# Altium PCB Stabilizer.PCBDOC (part 1 of 8) (continued)
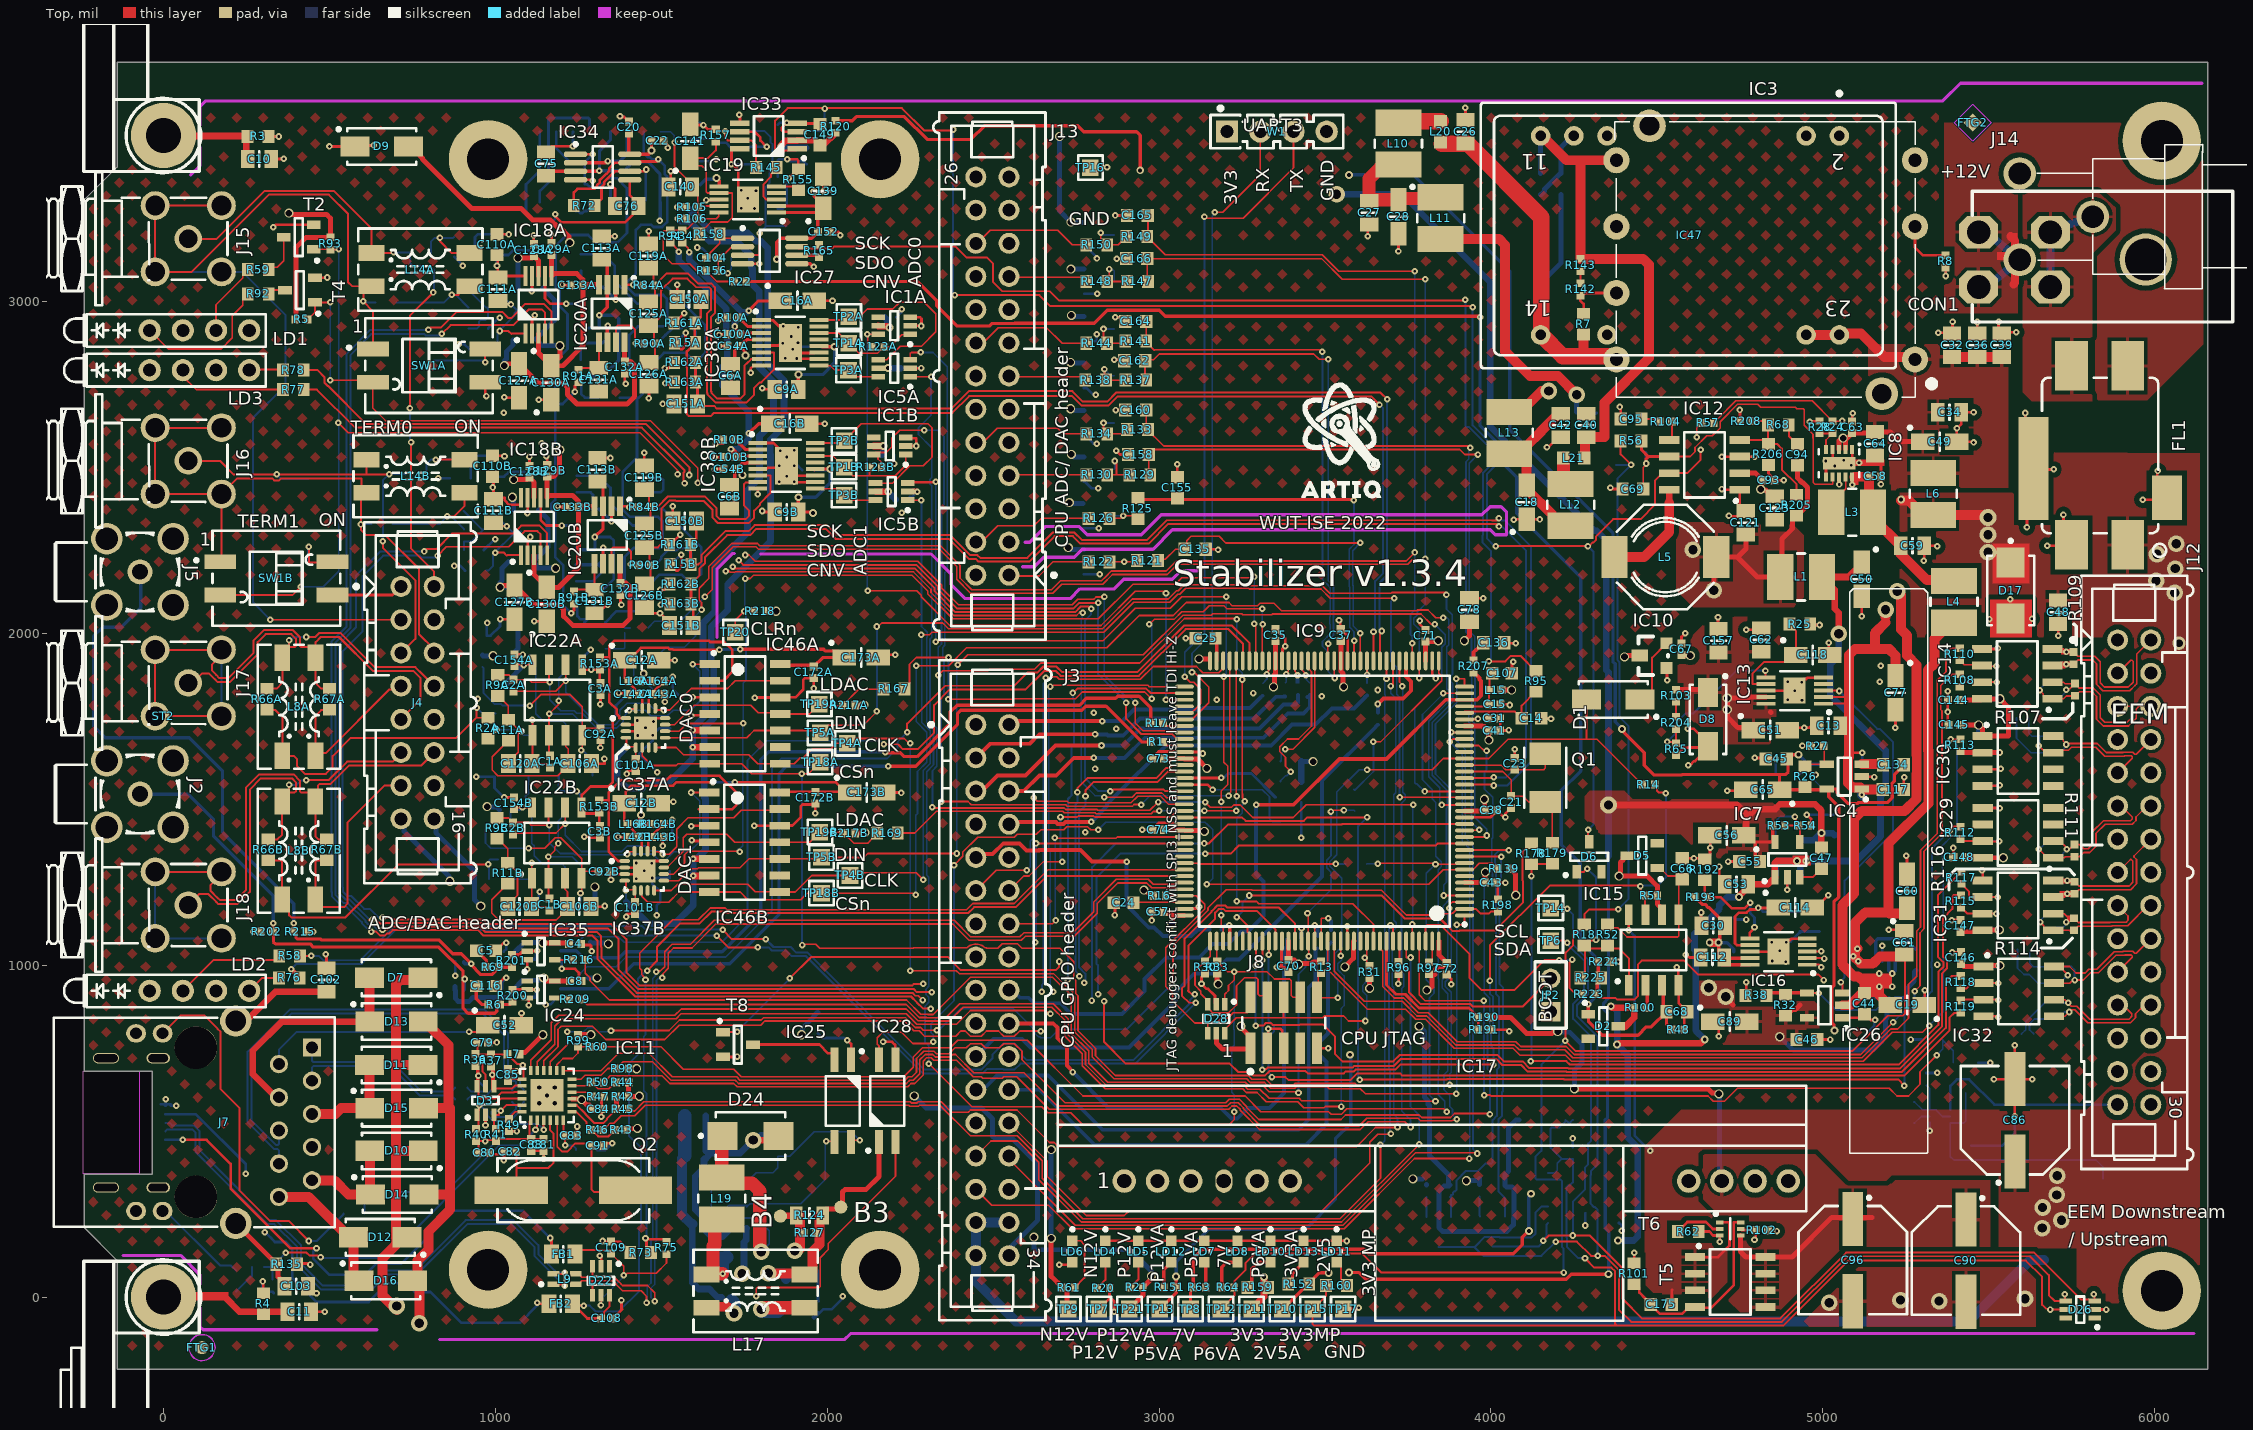
[diagram p0: Top view]
## Components (designator, comment, footprint, x,y, rotation, side; value= is the part's Value field where it differs from the comment) (continued)
FB1 "220R@100MHz" INDC2012X105N 1204.49,129.41 r180 top
FB2 "220R@100MHz" INDC2012X105N 1197.49,-20.15 r180 top
FL1 "10A/50VDC" FIL_MURATA_BNX02 5835.57,2536.05 r270 top
FTG1 "Use only in PCB" FIDUCIAL_TOP_C100-200 115.91,-152.2 r90 top
FTG2 "Use only in PCB" FIDUCIAL_TOP_S100-200 5451.79,3539 r90 top
FTG3 "Use only in PCB" FIDUCIAL_TOP_S100-200 430.87,3483.79 r90 bottom
FTG4 "Use only in PCB" FIDUCIAL_TOP_S100-200 5698.43,492.76 r90 bottom
IC1A "SN74AUC2G34DCKR" DCK0006A_M 2201.59,2926.86 r180 top (schematic designator IC1)
IC1B "SN74AUC2G34DCKR" DCK0006A_M 2188,2564.37 r180 top (schematic designator IC1)
IC2 "SN74LVC1G125DCKT" SOT65P210X110-5N 1153,1043.76 r180 bottom
IC3 "CC6-1212DF-E" CC6-1212DF-E 5177.72,2721.82 r180 top locked
IC4 "LT1761ES5-BYP#TRMPBF" SOT95P280X100-5N 5064.4,1568.26 r180 top
IC5A "SN74AUC2G34DCKR" DCK0006A_M 2201.59,2798.77 r180 top (schematic designator IC5)
IC5B "SN74AUC2G34DCKR" DCK0006A_M 2194,2427 r180 top (schematic designator IC5)
IC6 "24AA02E48T-I/OT" SOT95P280X145-5N 4284,304 r90 bottom
IC7 "LT1761ES5-BYP#TRMPBF" SOT95P280X100-5N 4893.16,1318.23 r90 top
IC8 "TPS62175DQC" SON50P200X300X80-11N-R94X250 5048.98,2512.43 r270 top
IC9 "STM32H743ZIT6" TSQFP50P2200X2200X160-144N 3498.15,1494.69 r180 top locked
IC10 "STM809SWX6F" SOT-23 4528.81,1895.04 r90 top
IC11 "LAN8742A-CZ-TR" QFN24_0R5_4X4 1155.49,607.62 r90 top
IC12 "NCP3170ADR2G" SOIC127P600X175-8N 4643.41,2507.53 r180 top
IC13 "LT3042EMSE#PBF" SOP50P490X110-11N-R168X198 4914.76,1827.22 r180 top
IC14 "FIN1028MX" SOIC127P600X175-8N 5585.66,1877.74 r180 top
IC15 "LM393AD" SOIC127P600X175-8N 4490.28,1045.95 r90 top
IC16 "LT3042EMSE#PBF" SOP50P490X110-11N-R168X198 4866.39,1040.78 r180 top
IC17 "AG5300" SILVERTEL_AG5300 3895.43,349.57 r0 top locked
IC18A "AD8250ARMZ" SOP50P490X110-10N 1130.13,2990.06 r90 top (schematic designator IC18)
IC18B "AD8250ARMZ" SOP50P490X110-10N 1116.96,2322.16 r90 top (schematic designator IC18)
IC19 "LT3042EMSE#PBF" SOP50P490X110-11N-R168X198 1761.05,3307.21 r180 top
IC20A "OPA2197IDGKR" SOP65P490X110-8N 1350.35,2964.13 r270 top (schematic designator IC20)
IC20B "OPA2197IDGKR" SOP65P490X110-8N 1337.18,2296.22 r270 top (schematic designator IC20)
IC21 "SN74LVC1G125DCKT" SOT65P210X110-5N 1153,928.67 r180 bottom
IC22A "OPA2197ID" SOIC127P600X175-8N 1186.85,1799.13 r90 top (schematic designator IC22)
IC22B "OPA2197ID" SOIC127P600X175-8N 1185.08,1368.51 r90 top (schematic designator IC22)
IC23 "FIN1027AMX" SOIC127P600X175-8N 5585.65,1877.74 r0 bottom
IC24 "74LVC1G14GW" SOT65P212X110-5N 1137.34,926.5 r0 top
IC25 "ACPL-217-500E" SOIC127P700X242-4N 2047,591.02 r270 top
IC26 "LT1964ES5-SD#TRMPBF" SOT95P280X100-5N 5005.34,879.29 r180 top
IC27 "ADA4528-2ARMZ-RL" ADI-RM-8_N 1826.75,3152.09 r0 top
IC28 "ACPL-217-500E" SOIC127P700X242-4N 2180.76,591.02 r90 top
IC29 "FIN1028MX" SOIC127P600X175-8N 5588.05,1398.78 r180 top
IC30 "FIN1027AMX" SOIC127P600X175-8N 5587.66,1615.31 r0 top
IC31 "FIN1028MX" SOIC127P600X175-8N 5587.66,1180.05 r180 top
IC32 "FIN1027AMX" SOIC127P600X175-8N 5590.05,921.02 r0 top
IC33 "LTC6655BHMS8-4.096#PBF" SOP65P490X110-8N 1823.58,3498.39 r180 top
IC34 "ADA4528-2ARMZ-RL" ADI-RM-8_N 1323.44,3405.09 r0 top
IC35 "74LVC1G14GW" SOT65P212X110-5N 1137.34,1041.79 r0 top
IC36 "FIN1027AMX" SOIC127P600X175-8N 5588.05,1398.77 r0 bottom
IC37A "AD5542ABCPZ-REEL7" QFN50P300X300X80-17N-S175 1452.44,1714.88 r0 top (schematic designator IC37)
IC37B "AD5542ABCPZ-REEL7" QFN50P300X300X80-17N-S175 1448.7,1284.26 r0 top (schematic designator IC37)
IC38A "LTC2310HMSE-16#PBF" SOP50P490X110-17N-R175X290 1889,2875.27 r0 top (schematic designator IC38)
IC38B "LTC2310HMSE-16#PBF" SOP50P490X110-17N-R175X290 1877.3,2504.75 r0 top (schematic designator IC38)
IC39 "FIN1028MX" SOIC127P600X175-8N 5588,1615.31 r180 bottom
IC40 "FIN1027AMX" SOIC127P600X175-8N 5587.66,1180.05 r0 bottom
IC41 "FIN1028MX" SOIC127P600X175-8N 5590.06,921.02 r180 bottom
IC42 "LTC6655CHLS8-4.096" LCCS127P500X500X145-8N 1850.7,3463 r180 bottom
IC43 "LT1761ES5-SD#TRMPBF" SOT95P280X100-5N 5064.4,1568.26 r180 bottom
IC44 "LT1964EDD#PBF" LT-DD-8_V 5189,955.34 r90 bottom
IC45 "LT1761ES5-SD#TRMPBF" SOT95P280X100-5N 4895.11,1323.78 r90 bottom
IC46A "DAC8831IBD" SOIC127P600X175-14N 1752.51,1757.07 r0 top (schematic designator IC46)
IC46B "DAC8831IBD" SOIC127P600X175-14N 1750.96,1370.39 r0 top (schematic designator IC46)
IC47 "JHM0612D12" DCDC_XPPOWER_JHM0X 4594.71,3199.04 r180 top
IC48 "24AA02E48-I/SN" SOIC127P600X175-8N 4278.45,298.41 r180 bottom
J2 "MCX" AMPHENOL_919-383J-51A -70.87,1515.75 r180 top locked
J3 "Use original!" 3M_N2534-6002RB 2497.8,924.73 r270 top locked
J4 "Use original!" 3M_N2516-6002RB 765.51,1790.87 r270 top locked
J5 "MCX" AMPHENOL_919-383J-51A -70.87,2185.04 r180 top locked
J7 "RJ45" ABRACON_ARJM11C7-114-BA-EW2 97.8,526.91 r270 top locked
J8 "Header 10" HARWIN_M50-3600542 3375.58,826.86 r0 top locked
J9 "47642-1001" 476421001 -107,525 r90 bottom
J12 "IDC" 3M_N2530-6002RB 5938.12,1279.79 r270 top locked
J13 "Use original!" 3M_N2526-6002RB 2497.8,2775.13 r90 top locked
J14 "Jack" SWITCHCRAFT_L712RA 5592.94,3125.52 r180 top
J15 "SMA" DELOCK_65848 74.8,3188.98 r180 top locked
J16 "SMA" DELOCK_65848 74.8,2519.68 r180 top locked
J17 "SMA" DELOCK_65848 74.8,1850.39 r180 top locked
J18 "SMA" DELOCK_65848 74.8,1181.1 r180 top locked
JP2 "1798942 (goldpin 2x 2.54)" jump 4180,860.13 r180 top
L1 "10uH" IND_MURATA-PS_8400 4934.48,2169.77 r0 top
L2A "600R@100MHz" INDC1005X55N 1068.94,2073.72 r270 bottom (schematic designator L2)
L2B "600R@100MHz" INDC1005X55N 1031.14,1467.33 r0 bottom (schematic designator L2)
L3 "10uH" IND_MURATA-PS_8400 5088.35,2364.79 r0 top
L4 "10uH" IND_MURATA-PS_8400 5395.04,2095 r270 top
L5 "4.7uH" IND_BOURNS_SRU8043 4525.35,2229.65 r0 top
L6 "10uH" IND_MURATA-PS_8400 5332.44,2419.85 r90 top
L7 "600R@100MHz" INDC1005X55N 1054.53,731.64 r0 top
L8A "2x6.5mH" IND_WURTH_WE-SL2 408.35,1778.68 r90 top (schematic designator L8)
L8B "2x6.5mH" IND_WURTH_WE-SL2 407.67,1345.15 r90 top (schematic designator L8)
L9 "90R@100MHz" IND_MURATA_DLW21S 1208.97,54.28 r0 top
L10 "10uH" IND_MURATA-PS_8400 3721.17,3475.57 r270 top
L11 "10uH" IND_MURATA-PS_8400 3848.19,3250.93 r270 top
L12 "10uH" IND_MURATA-PS_8400 4239.92,2387.1 r270 top
L13 "10uH" IND_MURATA-PS_8400 4055,2604.16 r90 top
L14A "2x6.5mH" IND_WURTH_WE-SL2 774.22,3095.76 r0 top (schematic designator L14)
L14B "2x6.5mH" IND_WURTH_WE-SL2 759.66,2473.45 r0 top (schematic designator L14)
L15 "600R@100MHz" INDC1005X55N 4013.9,1829.19 r180 top
L16A "600R@100MHz" INDC1005X55N 1418.37,1855.5 r180 top (schematic designator L16)
L16B "600R@100MHz" INDC1005X55N 1416.6,1424.88 r180 top (schematic designator L16)
L17 "2x1mH" IND_WURTH_WE-SL2 1784,18.22 r0 top
L18A "600R@100MHz" INDC1005X55N 961.8,1915.89 r270 bottom (schematic designator L18)
L18B "600R@100MHz" INDC1005X55N 1296.59,1176.2 r270 bottom (schematic designator L18)
L19 "10uH" IND_MURATA-PS_8400 1682,297 r270 top
L20 "120R@100MHz" INDC1608X95N 3848.19,3511 r90 top
L21 "120R@100MHz" INDC1608X95N 4249.76,2528.06 r180 top
LD1 "Green/Green" LED_DIALIGHT_571-0122F -41.57,2912.92 r0 top locked
LD2 "Red/Green" LED_DIALIGHT_571-0112F -41.57,922.76 r0 top locked
LD3 "Red/Green" LED_DIALIGHT_571-0112F -41.57,2792.81 r0 top locked
LD4 "Green" LED_KINGBRIGHT_KPH-1608CGCK 2838.28,137.24 r270 top
LD5 "Green" LED_KINGBRIGHT_KPH-1608CGCK 2937.75,137.24 r270 top
LD6 "Green" LED_KINGBRIGHT_KPH-1608CGCK 2738.81,137.24 r270 top
LD7 "Green" LED_KINGBRIGHT_KPH-1608CGCK 3136.69,137.24 r270 top
LD8 "Green" LED_KINGBRIGHT_KPH-1608CGCK 3236.17,137.24 r270 top
LD10 "Green" LED_KINGBRIGHT_KPH-1608CGCK 3335.64,137.24 r270 top
LD11 "Green" LED_KINGBRIGHT_KPH-1608CGCK 3534.58,137.24 r270 top
LD12 "Green" LED_KINGBRIGHT_KPH-1608CGCK 3037.22,137.24 r270 top
LD13 "Green" LED_KINGBRIGHT_KPH-1608CGCK 3435.11,137.24 r270 top
Q1 "8MHz" XTAL_TXC_7A 4163.72,1564.49 r270 top
Q2 "25MHz" XTAL_ABRACON_ABLS 1234.89,321.41 r180 top
R1 "51" RESC1005X40N 2993.28,1672.76 r0 top
R2A "30" RESC1608X55N 977.79,1714.1 r90 top (schematic designator R2)
R2B "30" RESC1608X55N 1011.85,1259.38 r180 bottom (schematic designator R2)
R3 "0" RESC1608X55N 285,3497 r180 top
R4 "0" RESC1608X55N 301,-20.15 r270 top
R5 "10k" RESC1005X40N 415.91,2945.77 r0 top
R6 "51" RESC1005X40N 996.5,881.36 r0 top
R7 "Undefined" RESC1608X55N 4279.29,2931.66 r270 top
R8 "0" RESC1005X40N 5369.84,3120.79 r90 top
R9A "560" RESC1608X55N 1007.32,1842.83 r270 top (schematic designator R9)
R9B "560" RESC1608X55N 1005.55,1412.21 r270 top (schematic designator R9)
R10A "0" RESC1005X40N 1715.38,2951.54 r0 top (schematic designator R10)
R10B "0" RESC1005X40N 1704.48,2583.49 r0 top (schematic designator R10)
R11A "1k58" RESC1608X55N 1039.21,1707.99 r270 top (schematic designator R11)
R11B "1k58" RESC1608X55N 1037.44,1277.37 r270 top (schematic designator R11)
R12 "49R9" RESC1005X40N 3626.78,1831.68 r90 bottom
R13 "10k" RESC1005X40N 3488.31,993.8 r270 top
R14 "0" RESC1005X40N 4474.53,1543.9 r0 top
R15A "220" RESC1608X64N 1571.35,2875.49 r180 top (schematic designator R15)
R15B "220" RESC1608X64N 1558.19,2207.59 r180 top (schematic designator R15)
R16 "10k" RESC1005X40N 3001.07,1209.26 r0 top
R17 "51" RESC1005X40N 2993.28,1729.63 r0 top
R18 "2k7" RESC1608X55N 4281.07,1091.14 r90 top
R19 "30" RESC1608X55N 1602.13,485.56 r180 bottom
R20 "10k" RESC1005X40N 2832.2,27.09 r0 top
R21 "10k" RESC1005X40N 2932.38,29.06 r0 top
R22 "10k" RESC1005X40N 1738,3060 r0 top
R23 "2k4" RESC1005X40N 3875.96,319.37 r270 bottom
R24 "33k" RESC1005X40N 5029.29,2620.7 r90 top
R25 "120k" RESC1608X55N 4930.56,2027.94 r180 top
R26 "24k" RESC1608X55N 4946.29,1568.26 r270 top
R27 "5k1" RESC1005X40N 4983.5,1660.44 r0 top
R28 "5k1" RESC1005X40N 4989.92,2620.7 r270 top
R29 "30" RESC1608X55N 1602.13,546.49 r180 bottom
R30 "10k" RESC1005X40N 3138.52,993.08 r90 top
R31 "10k" RESC1005X40N 3634.39,979.45 r90 top
R32 "24k" RESC1608X55N 4887.23,879.29 r270 top
R33 "10k" RESC1005X40N 3175.07,993.08 r90 top
R34 "0" RESC1005X40N 1563.16,3196.18 r270 top
R35 "220" RESC1608X55N 574,252 r180 bottom
R36 "49R9" RESC1005X40N 939.81,714.8 r90 top
R37 "49R9" RESC1005X40N 986.61,712.77 r90 top
R38 "2k7" RESC1608X55N 4798.65,908.82 r0 top
R39 "220" RESC1608X55N 217.87,49 r90 bottom
R40 "49R9" RESC1005X40N 942,488.48 r90 top
R41 "49R9" RESC1005X40N 1001.62,488.86 r90 top
R42 "10k" RESC1005X40N 1383.27,604.06 r180 top
R43 "10k" RESC1005X40N 1379,504 r180 top
R44 "10k" RESC1005X40N 1382.88,647 r180 top
R45 "33" RESC1005X40N 1383.27,566.26 r180 top
R46 "33" RESC1005X40N 1307,504 r180 top
R47 "10k" RESC1005X40N 1310.04,604.06 r0 top
R48 "62k" RESC1005X40N 4563.75,805.93 r180 top
R49 "12k1" RESC1005X40N 1040.6,518 r270 top
R50 "33" RESC1005X40N 1308.35,647 r180 top
R51 "5k1" RESC1005X40N 4482.8,1209.75 r180 top
R52 "24k" RESC1608X55N 4351.15,1091.14 r270 top
R53 "51k" RESC1005X40N 4867.55,1420.63 r180 top
R54 "47k" RESC1005X40N 4946.29,1420.63 r180 top
R55 "10k" RESC1005X40N 328,34.6 r270 bottom
R56 "24k" RESC1608X55N 4422.03,2579.96 r180 top
R57 "5k1" RESC1005X40N 4653,2634 r0 top
R58 "220" RESC1608X55N 380.11,1028.09 r0 top
R59 "220" RESC1608X55N 285.43,3095.76 r0 top
R60 "33" RESC1005X40N 1304.92,753.87 r180 top
R61 "10k" RESC1005X40N 2727.49,28.69 r180 top
R62 "1k3" RESC1608X55N 4594.33,197.4 r0 top
R63 "5k1" RESC1005X40N 3121.6,29.06 r0 top
R64 "5k1" RESC1005X40N 3207.19,29.06 r180 top
R65 "1k5" RESC1005X40N 4558,1650.5 r90 top
R66A "0" RESC1608X55N 311.52,1801.63 r90 top (schematic designator R66)
R66B "0" RESC1608X55N 315.63,1347.47 r90 top (schematic designator R66)
R67A "0" RESC1608X55N 500.48,1801.19 r90 top (schematic designator R67)
R67B "0" RESC1608X55N 491.93,1347.47 r90 top (schematic designator R67)
R68 "1k" RESC1608X55N 4866,2628 r0 top
R69 "51" RESC1005X40N 992.02,994.02 r0 top
R70 "82k" RESC1608X55N 3965.54,321.1 r90 bottom
R71 "82k" RESC1608X55N 3805.06,319.37 r90 bottom
R72 "24k" RESC1608X55N 1268.06,3288.51 r180 top
R73 "24k" RESC1608X55N 1437.64,133.95 r180 top
R74 "2k4" RESC1005X40N 4042.3,317.4 r270 bottom
R75 "10k" RESC1005X40N 1515.55,148.03 r90 top
R76 "220" RESC1608X55N 379.38,961.74 r0 top
R77 "220" RESC1608X55N 391.5,2734.54 r0 top
R78 "220" RESC1608X55N 391.5,2792.81 r0 top
R79A "Undefined" RESC1608X55N 774.24,3145.76 r0 bottom (schematic designator R79)
R79B "Undefined" RESC1608X55N 761.07,2477.86 r0 bottom (schematic designator R79)
R80A "0" RESC1608X55N 907.3,3194.18 r0 bottom (schematic designator R80)
R80B "0" RESC1608X55N 894.13,2526.28 r0 bottom (schematic designator R80)
R81A "1k8" RESC1608X55N 1004.92,3171.35 r270 bottom (schematic designator R81)
R81B "1k8" RESC1608X55N 991.76,2503.45 r270 bottom (schematic designator R81)
R82A "100k" RESC1608X55N 907.3,3135.13 r0 bottom (schematic designator R82)
R82B "100k" RESC1608X55N 894.13,2467.23 r0 bottom (schematic designator R82)
R83A "49R9" RESC6331X70N 814.61,2943.4 r90 bottom (schematic designator R83)
R83B "49R9" RESC6331X70N 435.59,2343.21 r90 bottom (schematic designator R83)
R84A "51" RESC1005X40N 1462.06,3048.32 r0 top (schematic designator R84)
R84B "51" RESC1005X40N 1448.9,2380.42 r0 top (schematic designator R84)
R85A "24k" RESC1608X55N 1343.46,2709.97 r180 bottom (schematic designator R85)
R85B "24k" RESC1608X55N 1300,2031.23 r180 bottom (schematic designator R85)
R86A "Undefined" RESC1608X55N 671.08,2997.33 r0 bottom (schematic designator R86)
R86B "Undefined" RESC1608X55N 657.91,2329.43 r0 bottom (schematic designator R86)
R87A "0" RESC1608X55N 919.11,2949.7 r270 bottom (schematic designator R87)
R87B "0" RESC1608X55N 905.94,2281.8 r270 bottom (schematic designator R87)
R88A "1k8" RESC1608X55N 948.64,3036.7 r0 bottom (schematic designator R88)
R88B "1k8" RESC1608X55N 935.47,2368.8 r0 bottom (schematic designator R88)
R89A "100k" RESC1608X55N 978.16,2949.7 r90 bottom (schematic designator R89)
R89B "100k" RESC1608X55N 965,2281.8 r90 bottom (schematic designator R89)
R90A "51" RESC1005X40N 1464.85,2873 r0 top (schematic designator R90)
R90B "51" RESC1005X40N 1450,2204.83 r0 top (schematic designator R90)
R91A "2k4" RESC1005X40N 1249.96,2775.29 r90 top (schematic designator R91)
R91B "2k4" RESC1005X40N 1236.79,2107.39 r90 top (schematic designator R91)
R92 "220" RESC1608X55N 285.43,3022.64 r0 top
R93 "10k" RESC1005X40N 503,3174.46 r270 top
R94 "0" RESC1005X40N 1527.04,3196.18 r270 top
R95 "30" RESC1608X55N 4136,1855.28 r270 top
R96 "10k" RESC1005X40N 3721.77,991.9 r270 top
R97 "0" RESC1005X40N 3812.95,990.87 r270 top
R98 "1k5" RESC1005X40N 1382.88,688.56 r180 top
R99 "10k" RESC1005X40N 1249.21,772.38 r270 top
R100 "2k4" RESC1005X40N 4449.77,871.49 r180 top
R101 "82k" RESC1608X55N 4431.48,70.4 r270 top
R102 "33k" RESC1005X40N 4816.09,201.33 r180 top
R103 "5k1" RESC1005X40N 4558,1811.87 r90 top
R104 "10k" RESC1005X40N 4526.97,2637.65 r0 top
R105 "0" RESC1005X40N 1593,3284.31 r180 top
R106 "0" RESC1005X40N 1594,3249.34 r180 top
R107 "100" RESC1005X40N 5760,1830.21 r90 top
R108 "100" RESC1005X40N 5412.57,1858.06 r270 top
R109 "100" RESC1005X40N 5754.95,1925.26 r90 top
R110 "100" RESC1005X40N 5412.57,1936.8 r270 top
R111 "100" RESC1005X40N 5758.09,1345.05 r90 top
R112 "100" RESC1005X40N 5414.58,1398.77 r270 top
R113 "100" RESC1005X40N 5414.57,1662.56 r270 top
R114 "100" RESC1005X40N 5756.95,1123.19 r90 top
R115 "100" RESC1005X40N 5416.15,1192.36 r270 top
R116 "100" RESC1005X40N 5758.09,1233.21 r90 top
R117 "100" RESC1005X40N 5417.14,1263.49 r270 top
R118 "100" RESC1005X40N 5415.54,948.89 r270 top
R119 "100" RESC1005X40N 5415.54,875.19 r90 top
R120 "0" RESC1005X40N 2025.15,3526.3 r270 top
R121 "1k" RESC1608X55N 2965,2219 r180 top
R122 "1k" RESC1608X55N 2818.66,2215.17 r180 top
R123A "0" RESC1005X40N 2153.01,2863.17 r180 top (schematic designator R123)
R123B "0" RESC1005X40N 2145.77,2499.86 r0 top (schematic designator R123)
R124 "Undefined" RESC2012X60N 1946.64,246 r180 top
R125 "1k" RESC1608X55N 2936,2376 r270 top
R126 "1k" RESC1608X55N 2818.66,2346.21 r180 top
R127 "0" RESC1005X40N 1947.39,193.4 r180 top
R128 "49R9" RESC1005X40N 3405.12,1079 r180 bottom
R129 "1k" RESC1608X55N 2941.69,2477.33 r180 top
R130 "1k" RESC1608X55N 2811.94,2477.33 r180 top
R131 "49R9" RESC1005X40N 3476.2,1068.37 r90 bottom
R132 "49R9" RESC1005X40N 3517.84,1087.4 r90 bottom
R133 "1k" RESC1608X55N 2934.81,2613.64 r180 top
R134 "1k" RESC1608X55N 2811.94,2601.09 r180 top
R135 "0" RESC1608X55N 371,99 r180 top
R136 "49R9" RESC1005X40N 3659,1743 r270 bottom
R137 "1k" RESC1608X55N 2929.88,2762.8 r180 top
R138 "1k" RESC1608X55N 2808.82,2762.8 r180 top
R139 "10k" RESC1005X40N 4039.37,1290.7 r0 top
R140 "82k" RESC1608X55N 1688,354 r180 bottom
R141 "1k" RESC1608X55N 2929.42,2880.21 r180 top
R142 "18k" RESC1005X40N 4270,3036 r90 top
R143 "18k" RESC1005X40N 4270,3109.77 r270 top
R144 "1k" RESC1608X55N 2811.77,2874.03 r180 top
R145 "220" RESC1608X55N 1816.52,3403 r180 top
R146 "24k" RESC1608X55N 1851.31,456 r270 bottom
R147 "220" RESC1608X55N 2934.81,3060.21 r180 top
R148 "220" RESC1608X55N 2811.94,3060.21 r180 top
R149 "220" RESC1608X55N 2932.83,3195.05 r180 top
R150 "220" RESC1608X55N 2811.94,3170.44 r180 top
R151 "2k4" RESC1005X40N 3032.81,29.06 r180 top
R152 "220" RESC1608X55N 3420.82,38.91 r0 top
R153A "10k" RESC1005X40N 1314.8,1908.58 r270 top (schematic designator R153)
R153B "10k" RESC1005X40N 1313.03,1477.96 r270 top (schematic designator R153)
R154 "1k" RESC1608X55N 1679.63,3133.16 r0 bottom
R155 "220" RESC1608X55N 1913.14,3366.7 r270 top
R156 "5k1" RESC1005X40N 1653.31,3092.43 r0 top
R157 "33k" RESC1005X40N 1664.14,3500 r270 top
R158 "220" RESC1608X55N 1644.9,3202.85 r180 top
R159 "1k" RESC1608X55N 3297.59,29.06 r180 top
R160 "1k" RESC1608X55N 3534.58,34.35 r0 top
R161A "220" RESC1608X64N 1569.73,2934.93 r0 top (schematic designator R161)
R161B "220" RESC1608X64N 1556.57,2267.03 r0 top (schematic designator R161)
R162A "220" RESC1608X64N 1571.36,2816.2 r180 top (schematic designator R162)
R162B "220" RESC1608X64N 1558.19,2148.3 r180 top (schematic designator R162)
R163A "220" RESC1608X64N 1571.36,2756.79 r0 top (schematic designator R163)
R163B "220" RESC1608X64N 1558.19,2088.89 r0 top (schematic designator R163)
R164A "10" RESC1005X40N 1490.66,1855.5 r0 top (schematic designator R164)
R164B "10" RESC1005X40N 1488.89,1424.88 r0 top (schematic designator R164)
R165 "5k1" RESC1005X40N 1975.55,3152.09 r90 top
R166 "30" RESC1608X55N 1602.13,424.73 r180 bottom
R167 "0" RESC1608X55N 2201,1832.81 r0 top
R168 "220" RESC1608X55N 1972.06,825.8 r90 bottom
R169 "0" RESC1608X55N 2181.28,1398.2 r0 top
R170A "Undefined" RESC1608X55N 1571.36,2816.2 r180 bottom (schematic designator R170)
R170B "Undefined" RESC1608X55N 1558.19,2148.3 r180 bottom (schematic designator R170)
R171A "Undefined" RESC1608X55N 1571.36,2875.49 r180 bottom (schematic designator R171)
R171B "Undefined" RESC1608X55N 1558.19,2207.59 r180 bottom (schematic designator R171)
R172A "Undefined" RESC1608X55N 1331.65,1922 r270 bottom (schematic designator R172)
R172B "Undefined" RESC1608X55N 1440.93,1830.84 r180 bottom (schematic designator R172)
R173 "100" RESC1005X40N 5602,1745.66 r180 bottom
R174 "100" RESC1005X40N 5605,1047.6 r180 bottom
R175 "100" RESC1005X40N 5616.95,792.28 r0 bottom
R176 "0" RESC1608X55N 3589,1496 r270 bottom
R177 "0" RESC1608X55N 3594,1305 r180 bottom
R178 "0" RESC1608X55N 4122,1336 r90 top
R179 "0" RESC1608X55N 4185,1337.5 r90 top
R180 "1k" RESC1608X55N 3397.14,1613.61 r0 bottom
R181 "1k" RESC1608X55N 3397.14,1553.63 r0 bottom
R182 "1k" RESC1608X55N 3397.14,1490.36 r0 bottom
R183 "1k" RESC1608X55N 3397.14,1432.81 r0 bottom
R184 "82k" RESC1608X55N 1757,239 r90 bottom
R185 "49R9" RESC1005X40N 3169.88,1107.29 r0 bottom
R186 "49R9" RESC1005X40N 3454,1833 r270 bottom
R187 "49R9" RESC1005X40N 3418.12,1832.79 r270 bottom
R188 "49R9" RESC1005X40N 3380.65,1832.79 r270 bottom
R189 "49R9" RESC1005X40N 3312,1831 r270 bottom
R190 "27k" RESC1005X40N 3979.83,842.79 r0 top
R191 "10k" RESC1005X40N 3979.37,805.69 r180 top
R192 "1k3" RESC1608X55N 4644,1287.52 r270 top
R193 "18k" RESC1005X40N 4633.03,1205.19 r180 top
R194 "1k3" RESC1608X55N 5274.35,556.13 r90 bottom
R195 "82k" RESC1608X55N 5415.5,456.16 r180 bottom
R196 "33k" RESC1005X40N 5311.19,656.84 r270 bottom
R197 "82k" RESC1608X55N 5329.98,776 r0 bottom
R198 "10k" RESC1005X40N 4020.87,1180.39 r270 top
R199 "33" RESC1005X40N 897.46,631.25 r180 bottom
R200 "51" RESC1005X40N 1051.93,908 r90 top